# Altium PCB ARAStronaut.PcbDoc
Units mm, origin at the board's own origin, x right, y up, seen from the top; angles counter-clockwise.
Board outline 80.28 x 55.22 mm, 2 copper layers (Top Layer, Bottom Layer); 67 components, 47 nets, 275 pads, 75 vias.
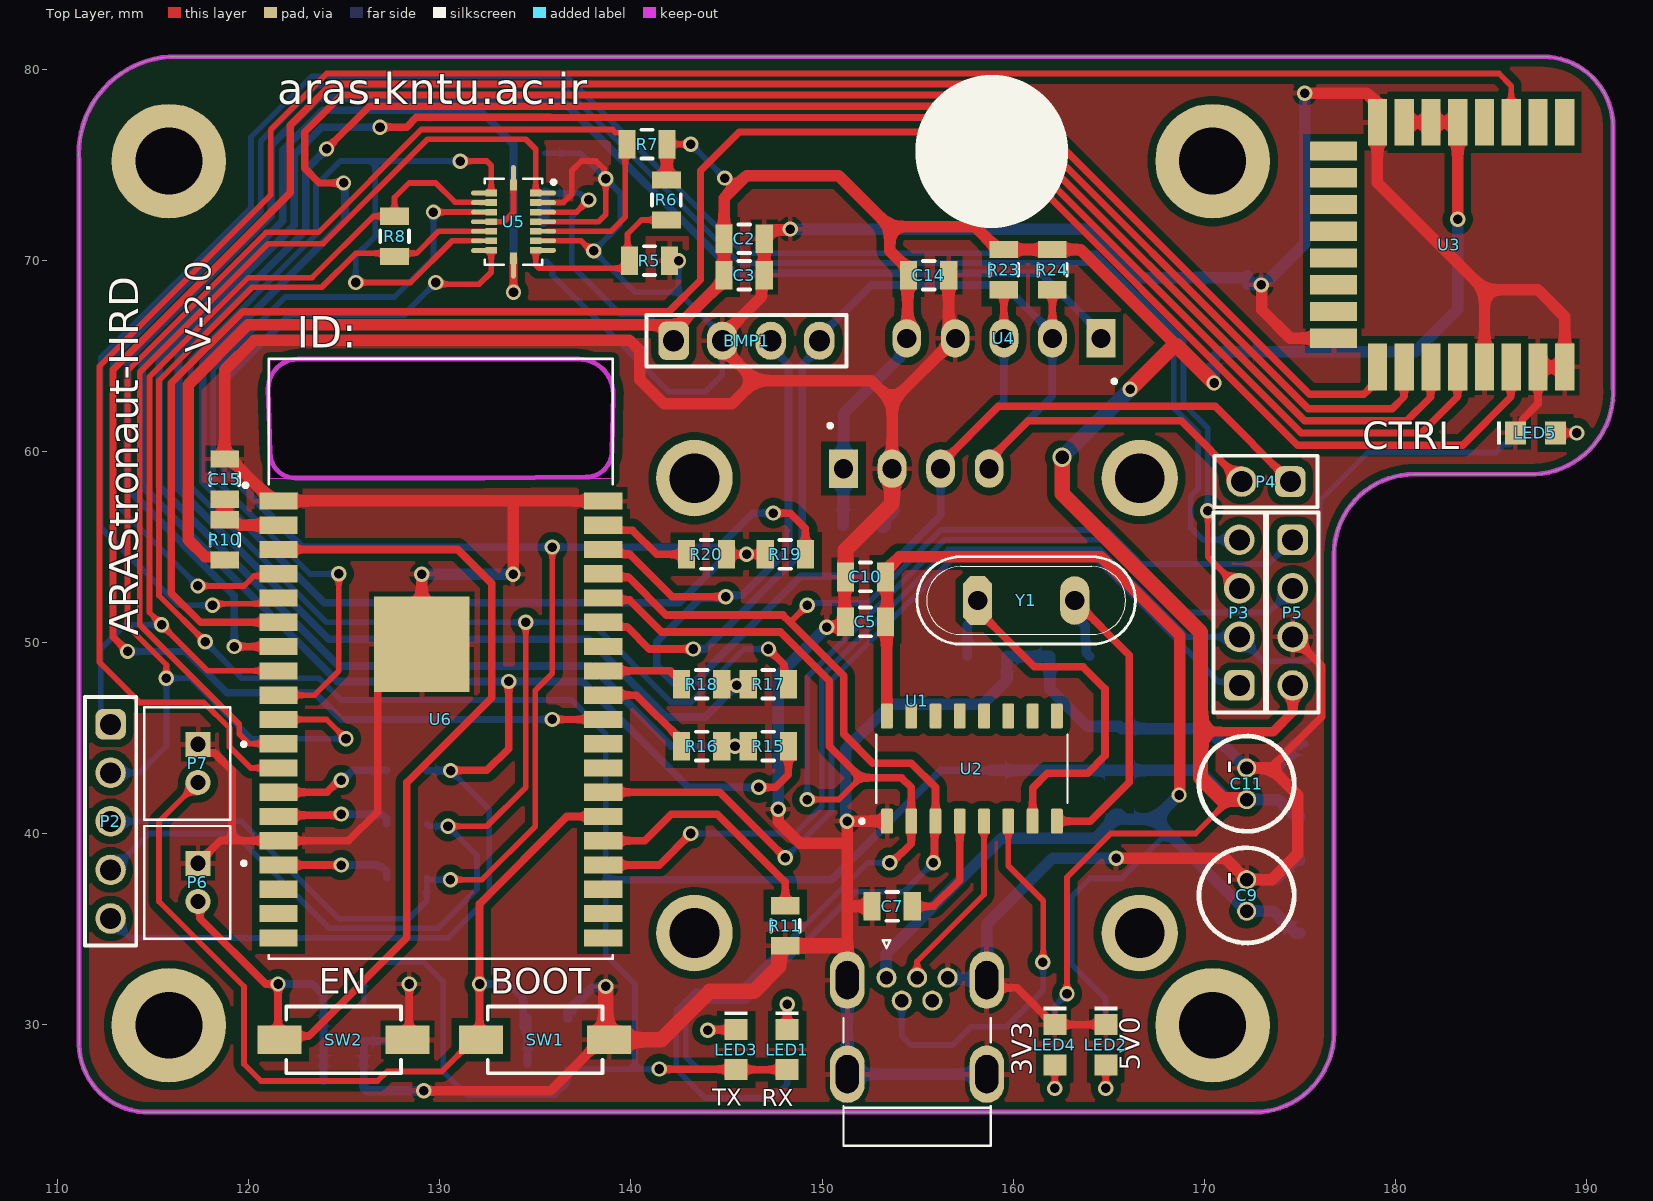
[diagram p0: Top Layer view]
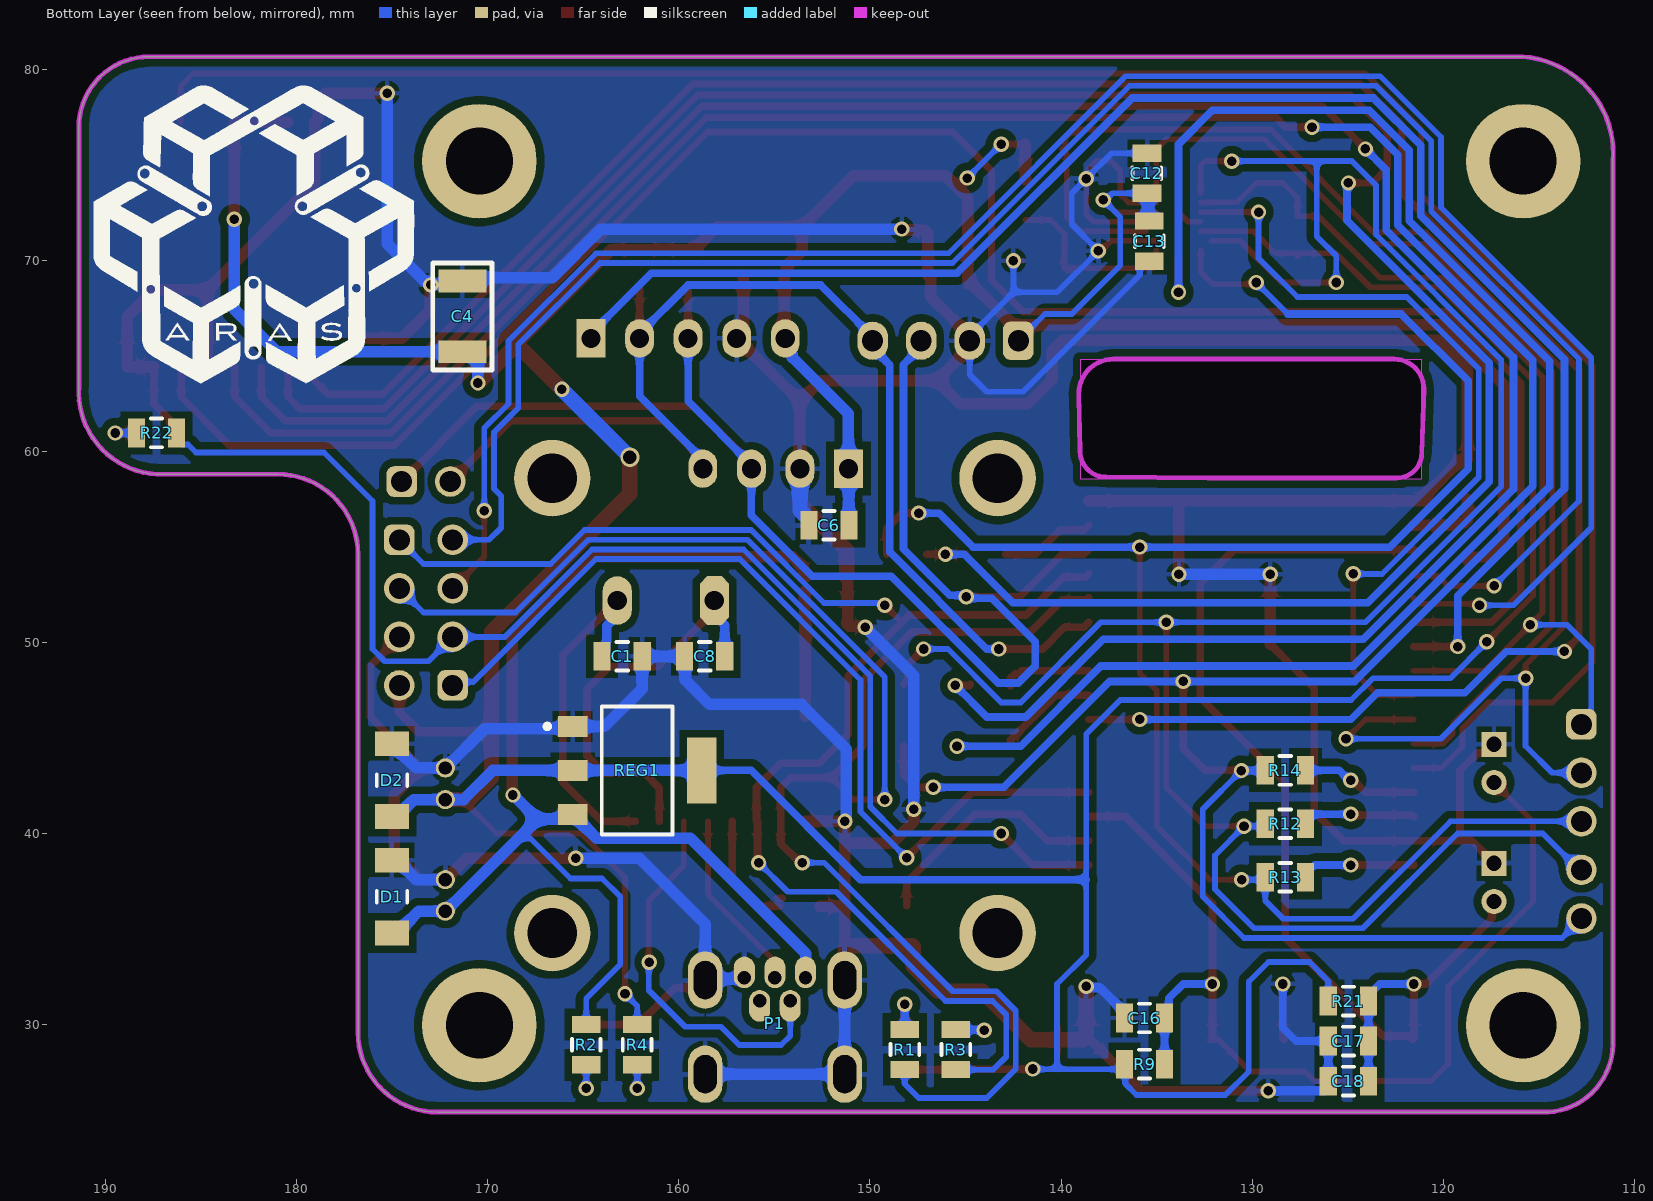
[diagram p1: Bottom Layer view, seen from below]

## Layer stack, top to bottom
Top Solder: solder mask 0.0102, Solder Resist, Dk 3.5
Top Layer: signal copper 0.0356
Dielectric 1: dielectric 0.32, FR-4, Dk 4.8
Bottom Layer: signal copper 0.0356
Bottom Solder: solder mask 0.0102, Solder Resist, Dk 3.5

## Board outline
111.125,28.956 ccw(c114.731,29.033) 114.808,25.428 172.621,25.428 ccw(c172.621,29.591) 176.784,29.591 176.784,54.61 cw(c180.975,54.61) 180.975,58.801 187.325,58.801 ccw(c187.071,63.119) 191.389,63.373 191.389,76.962 ccw(c187.706,76.962) 187.706,80.645 115.824,80.645 ccw(c116.205,75.565) 111.125,75.184

## Design rules (kind name [scope] priority, off if disabled: settings)
Clearance [All] p1: gap=0.2 ignorepadtopadclearanceinfootprint=FALSE except(0.4: Arc-Poly Track-Poly SMDPad-Poly THPad-Poly Via-Poly Fill-Poly Poly-Poly Poly-Region Poly-Text Poly-Hole)
PolygonConnect [All] p1: connectstyle=Relief reliefconductorwidth=0.254 reliefentries=4 polygonreliefangle="90 Angle" airgapwidth=0.254
RoutingVias [All] p1: holewidth=0.5 width=0.8 viastyle="Through Hole" minholewidth=0.5 minwidth=0.8 maxholewidth=1.5 maxwidth=2
SolderMaskExpansion [All] p1: expansion=0.102 istentingtop=FALSE
Width [All] p1: maxlimit=2 minlimit=0.3 preferedwidth=0.3
30 further rules are at their usual default settings.

## Components (designator, comment, footprint, x,y, rotation, side; value= is the part's Value field where it differs from the comment)
BMP1 "BMP_180_MOD" BMP180 146.05,65.786 r0 top
C1 "22pf" "SMD 805 CAP" 162.965,49.276 r0 bottom
C2 "1uF" "SMD 805 CAP" 145.923,71.12 r180 top
C3 "10uF" "SMD 805 CAP" 145.923,69.215 r180 top
C4 "10uF" MY_CAP_SMD-B 171.323,67.056 r90 bottom value=3300u
C5 "10uf" "SMD 805 CAP" 152.271,51.077 r0 top
C6 "1uF" "SMD 805 CAP" 152.146,56.134 r0 bottom
C7 "100nf" "SMD 805 CAP" 153.67,36.195 r180 top
C8 "22pf" "SMD 805 CAP" 158.647,49.276 r0 bottom
C9 "47uF-5mm" "MY_CAP_POL 5MM" 172.212,36.765 r90 top value=3300u
C10 "1uF" "SMD 805 CAP" 152.271,53.426 r180 top
C11 "33uF-5mm" "MY_CAP_POL 5MM" 172.212,42.607 r90 top value=3300u
C12 "100nF" "SMD 805 CAP" 135.509,74.549 r90 bottom
C13 "100nF" "SMD 805 CAP" 135.382,70.993 r270 bottom
C14 "1uF" "SMD 805 CAP" 155.575,69.215 r180 top
C15 "100nF" "SMD 805 CAP" 118.745,58.547 r90 top
C16 "100nF" "SMD 805 CAP" 135.636,30.353 r0 bottom
C17 "22uF" "SMD 805 CAP" 124.968,29.146 r0 bottom
C18 "100nF" "SMD 805 CAP" 124.968,27.051 r0 bottom
D1 "MM 5.1V" MiniMelf 175.006,36.703 r270 bottom
D2 "MM 3.6V" MiniMelf 175.006,42.799 r270 bottom
LED1 "LED_SMD_0805" LED_0805 148.174,28.702 r270 top
LED2 "LED_SMD_0805" LED_0805 164.846,28.956 r270 top
LED3 "LED_SMD_0805" LED_0805 145.507,28.702 r270 top
LED4 "LED_SMD_0805" LED_0805 162.179,28.956 r270 top
LED5 "LED_SMD_0805" LED_0805 187.325,60.96 r0 top
P1 "USB_Mini_Dip_Right" USB_MINI_Right 154.971,30.075 r0 top
P2 "61300511121" 61300511121 112.776,40.64 r270 top
P3 "61300411121" 61300411121 171.831,51.562 r90 top
P4 "61300211121" 61300211121 173.228,58.42 r180 top
P5 "61300411121" 61300411121 174.625,51.562 r270 top
P6 "JST_2PIN" JST_2PIN 117.348,38.449 r90 top
P7 "JST_2PIN" JST_2PIN 117.348,44.672 r90 top
R1 "1k" "SMD 805" 148.174,28.702 r270 bottom
R2 "1k" "SMD 805" 164.846,28.956 r270 bottom
R3 "1k" "SMD 805" 145.507,28.702 r270 bottom
R4 "680" "SMD 805" 162.179,28.956 r270 bottom
R5 "1k" "SMD 805" 140.97,69.977 r0 top
R6 "INF" "SMD 805" 141.859,73.152 r270 top
R7 "INF" "SMD 805" 140.843,76.073 r180 top
R8 "4.7K" "SMD 805" 127.635,71.247 r90 top
R9 "1k" "SMD 805" 135.636,27.94 r0 bottom
R10 "0" "SMD 805" 118.745,55.372 r90 top
R11 "4.7k" "SMD 805" 148.082,35.179 r90 top
R12 "INF" "SMD 805" 128.27,40.513 r0 bottom
R13 "INF" "SMD 805" 128.27,37.719 r0 bottom
R14 "INF" "SMD 805" 128.27,43.307 r0 bottom
R15 "0" "SMD 805" 147.19,44.577 r0 top
R16 "220" "SMD 805" 143.699,44.577 r0 top
R17 "0" "SMD 805" 147.19,47.816 r0 top
R18 "220" "SMD 805" 143.699,47.816 r0 top
R19 "0" "SMD 805" 148.079,54.61 r0 top
R20 "220" "SMD 805" 143.953,54.61 r0 top
R21 "1k" "SMD 805" 124.968,31.242 r180 bottom
R22 "470" "SMD 805" 187.325,60.96 r0 bottom
R23 "4.7k" "SMD 805" 159.512,69.503 r90 top
R24 "4.7k" "SMD 805" 162.052,69.503 r90 top
REG1 "LD1117 3.3" MY_LD1117-3.3 162.052,43.307 r270 bottom
SW1 "BOOT" WS-TASV_L6W3.5H4.3_4341x10438x6 135.509,29.21 r180 top
SW2 "ENABLE" WS-TASV_L6W3.5H4.3_4341x10438x6 124.968,29.21 r180 top
U1 "SSD1306" SSD1306 154.974,46.944 r0 top locked
U2 "CH340G" CH340G 157.84,43.4 r90 top
U3 "DWM1000" DWM1000 186.132,71.07 r270 top
U4 "HMC5883L" HMC5883L-GY271 160.742,65.843 r180 top
U5 "BMI088" BMI088 133.858,72.009 r270 top
U6 "ESP32-WROVER-I" ESP32-WROVER-I 128.884,46.422 r0 top locked
Y1 "CRYSTAL" My_Crystal 160.679,52.197 r0 top

## Footprints (in the part's own frame and the unit in brackets; to place one, negate y for a bottom-side part, rotate by r counter-clockwise, add the part's x,y. Pads: shape width x height; smd on the part's side, far side on the other; paste and mask are expansions set on the pad)
61300211121 [mm] "Pin Header, pitch 2.54 mm, THT, Vertical, single row, 2p"
  rrect50% 1.6x1.6 hole 1.1: 1(-1.27,0)
  round 1.6 hole 1.1: 2(1.27,0)
  silkscreen extent -2.69,-1.35 2.69,1.35, body extent -2.54,-1.27 2.54,1.27, height 8.57
61300411121 [mm] "Pin Header, pitch 2.54 mm, THT, Vertical, single row, 4p"
  rrect50% 1.6x1.6 hole 1.1: 1(-3.81,0)
  round 1.6 hole 1.1: 2(-1.27,0) 3(1.27,0) 4(3.81,0)
  silkscreen extent -5.23,-1.35 5.23,1.35, body extent -5.08,-1.27 5.08,1.27, height 8.57
61300511121 [mm] "Pin Header, pitch 2.54 mm, THT, Vertical, single row, 5p"
  rrect50% 1.6x1.6 hole 1.1: 1(-5.08,0)
  round 1.6 hole 1.1: 2(-2.54,0) 3(0,0) 4(2.54,0) 5(5.08,0)
  silkscreen extent -6.5,-1.35 6.5,1.35, body extent -6.35,-1.27 6.35,1.27, height 8.57
BMI088 [mm]
  oval 0.254x1 smd: 1(-1.505,1.721) 2(-1.005,1.721) 3(-0.505,1.721) 4(-0.005,1.721) 5(0.495,1.721) 6(0.995,1.721) 7(1.495,1.721) 9(1.505,-1.721) 10(0.995,-1.721) 11(0.495,-1.721) 12(-0.005,-1.721) 13(-0.505,-1.721) 14(-1.005,-1.721) 15(-1.505,-1.721)
  rect 0.35x0.59 smd: 1(-1.505,1.161) 2(-1.005,1.161) 3(-0.505,1.161) 4(-0.005,1.161) 5(0.495,1.161) 6(0.995,1.161) 7(1.495,1.161) 9(1.495,-1.169) 10(0.995,-1.169) 11(0.495,-1.169) 12(-0.005,-1.169) 13(-0.505,-1.169) 14(-1.005,-1.169) 15(-1.505,-1.169)
  rect 0.59x0.35 smd: 8(1.91,-0.004) 16(-1.92,-0.004)
  oval 1x0.254 smd: 8(2.471,-0.005) 16(-2.471,-0.005)
  silkscreen extent -2.26,-1.5 2.24,2.2, body extent -2.26,-1.5 2.24,1.5, height 1
BMP180 [mm]
  rrect50% 1.6x2 hole 1.1: 1(-3.81,0)
  oval 1.6x2 hole 1.1: 2(-1.27,0) 3(1.27,0) 4(3.81,0)
  silkscreen extent -5.23,-1.35 5.23,1.35, body extent -5.11,-1.19 5.11,11.8, height 5.69
CH340G [mm]
  rrect25% 1.31x0.62 smd: 1(-2.75,4.445) 2(-2.75,3.175) 3(-2.75,1.905) 4(-2.75,0.635) 5(-2.75,-0.635) 6(-2.75,-1.905) 7(-2.75,-3.175) 8(-2.75,-4.445) 9(2.75,-4.445) 10(2.75,-3.175) 11(2.75,-1.905) 12(2.75,-0.635) 13(2.75,0.635) 14(2.75,1.905) 15(2.75,3.175) 16(2.75,4.445)
  silkscreen extent -2.85,-5 1.78,5.85, body extent -3,-5 3,5, height 1.8
DWM1000 [mm]
  rect 2.45x1 smd: 1(-6.146,2.726) 2(-6.146,1.326) 3(-6.146,-0.074) 4(-6.146,-1.474) 5(-6.146,-2.874) 6(-6.146,-4.274) 7(-6.146,-5.674) 8(-6.146,-7.074) 17(6.654,-7.074) 18(6.654,-5.674) 19(6.654,-4.274) 20(6.654,-2.874) 21(6.654,-1.474) 22(6.654,-0.074) 23(6.654,1.326) 24(6.654,2.726)
  rect 1x2.45 smd: 9(-4.646,-9.369) 10(-3.246,-9.369) 11(-1.846,-9.369) 12(-0.446,-9.369) 13(0.954,-9.369) 14(2.354,-9.369) 15(3.754,-9.369) 16(5.154,-9.369)
  body extent -6.36,-9.59 6.84,13.41, height 3.15
ESP32-WROVER-I [mm]
  rect 2x0.9 smd: 1(-7.327,10.982) 2(-7.327,9.712) 3(-7.327,8.442) 4(-7.327,7.172) 5(-7.327,5.902) 6(-7.327,4.632) 7(-7.327,3.362) 8(-7.327,2.092) 9(-7.327,0.822) 10(-7.327,-0.448) 11(-7.327,-1.718) 12(-7.327,-2.988) 13(-7.327,-4.258) 14(-7.327,-5.528) 15(-7.327,-6.798) 16(-7.327,-8.068) 17(-7.327,-9.338) 18(-7.327,-10.608) 19(-7.327,-11.878) 20(9.673,-11.878) 21(9.673,-10.608) 22(9.673,-9.338) 23(9.673,-8.068) 24(9.673,-6.798) 25(9.673,-5.528) 26(9.673,-4.258) 27(9.673,-2.988) 28(9.673,-1.718) 29(9.673,-0.448) 30(9.673,0.822) 31(9.673,2.092) 32(9.673,3.362) 33(9.673,4.632) 34(9.673,5.902) 35(9.673,7.172) 36(9.673,8.442) 37(9.673,9.712) 38(9.673,10.982)
  rect 5x5 smd paste-1.835 mask-1.835: 39(0.173,3.482)
  Keep-Out Layer board cut-out: -7.75,12.142 -7.75,18.365 10.11,18.365 10.11,12.142
  Keep-Out Layer lines w0.254: -7.863,16.841 cw(c-6.301,16.841) -6.301,18.403 8.373,18.403 cw(c8.373,16.584) 10.193,16.584 10.125,13.588 cw(c8.768,13.588) 8.768,12.23 3.432,12.18 -0.292,12.18 -6.445,12.18 cw(c-6.445,13.489) -7.754,13.489 -7.863,16.841
  silkscreen extent -9.15,-12.98 10.17,18.42, body extent -7.83,-12.98 10.17,18.42, height 3.4
HMC5883L-GY271 [mm]
  rect 1.508x2 hole 1: 1(-3.85,-0.07)
  oval 1.508x2 hole 1: 2(-1.31,-0.07) 3(1.23,-0.07) 4(3.77,-0.07) 5(6.31,-0.07)
  silkscreen extent -4.65,2.08 -4.45,2.28, body extent -5.97,-12.12 8.53,1.38, height 5.67
JST_2PIN [mm]
  rect 1.308x1.308 hole 0.8: 1(0,0)
  round 1.308 hole 0.8: 2(-2,0)
  silkscreen extent -3.95,-2.5 1.95,2.8, body extent -3.95,-1.7 1.95,2.8, height 6
LED_0805 [mm]
  rect 1.1x1.2 smd: 1(-1.05,0) 2(1.05,0)
  silkscreen extent -2,-0.6 -1.8,0.6, body extent -1,-0.63 1,0.62, height 0.7
MiniMelf [mm]
  rect 1.3x1.8 smd: 1(-1.905,0) 2(1.905,0)
  silkscreen extent -0.3,-0.8 0.3,0.8, body extent -1.82,-0.8 1.88,0.8, height 1.6
"MY_CAP_POL 5MM" [mm]
  round 1 hole 0.7: +(-0.827,0) -(0.827,0)
  silkscreen extent -2.49,-2.49 2.49,2.49, body extent -2.74,-2.6 2.84,2.48, height 11.7
MY_CAP_SMD-B [mm] "3.1X4"
  rect 1.2x2.5 smd: +(-1.845,0) -(1.845,0)
  silkscreen extent -2.8,-1.55 2.8,1.55, body extent -1.85,-1.41 1.85,1.41, height 2.14
My_Crystal [mil]
  oct 60x100 hole 40: 1(-100,0)
  oval 60x100 hole 40: 2(100,0)
  silkscreen extent -225,-90 225,90, body extent -225,-90 222,93, height 150
MY_LD1117-3.3 [mm]
  rect 1.1x1.55 smd: 1(-2.3,-3.502) 2(0,-3.502) 3(2.3,-3.502)
  rect 3.45x1.55 smd: 4(0,3.248)
  silkscreen extent -3.35,-4.95 3.35,1.72, body extent -3.3,-3.85 3.2,3.05, height 1.6
"SMD 805" [mm]
  rect 0.9x1.5 smd: 1(1.05,0) 2(-1.05,0)
  silkscreen extent -0.3,-0.75 0.3,0.75, body extent -1,-0.62 1,0.63, height 0.78
"SMD 805 CAP" [mm]
  rect 0.9x1.5 smd: 1(1.05,0) 2(-1.05,0)
  silkscreen extent -0.3,-0.75 0.3,0.75, body extent -1,-0.62 1,0.63, height 0.78
SSD1306 [mm]
  rect 1.508x2 hole 1: 1(-3.85,12.146)
  oval 1.508x2 hole 1: 2(-1.31,12.146) 3(1.23,12.146) 4(3.77,12.146)
  round 4 hole 2.6: ""(-11.65,11.654) ""(-11.65,-12.146) ""(11.65,-12.146) ""(11.65,11.654)
  silkscreen extent -4.65,14.3 -4.45,14.5, body extent -14.41,-14.15 13.99,14.03, height 14.3
USB_MINI_Right [mm]
  oval 1.1x1.65 smd far side paste-2 mask+0: 1(-1.6,2.663) 2(-0.8,0.913) 3(0,2.663) 4(0.8,0.913) 5(1.6,2.663)
  round 1.05 hole 0.7: 6(-1.6,2.388) 7(-0.8,1.188) 8(0,2.388) 9(0.8,1.188) 10(1.6,2.388)
  oval 1.8x3 hole 1.2 slot 2 at 90 deg mask+0: 11(-3.65,-2.662) 12(-3.65,2.261) 12(3.65,-2.662) 12(3.65,2.261)
  oval 1.7x2.7 smd far side paste-2 mask+0: S1(-3.65,-2.662) S2(3.65,-2.662)
  silkscreen extent -3.85,-6.41 3.85,4.34, body extent -3.95,-6.43 3.95,2.97, height 3.9
WS-TASV_L6W3.5H4.3_4341x10438x6 [mm] "SMD Tact Switch, body 6x3.5mm"
  rect 2.3x1.5 smd: 1(-3.35,0) 2(3.35,0)
  silkscreen extent -3,-1.75 3,1.75, body extent -4,-1.75 4,1.75, height 4.3

## Part data
C1 C5 C7 C8: library part "CAP B", "1uf"
C2 C3 C6 C10 C12 C13 C14 C15 C16 C17 C18: library part "CAP B"
C4: library part CAP_TANTAL_B, "3.5X2.8MM"
C9 C11: library part "Cap Pol_5mm", "CAP-3300Uf"
D1 D2: library part MiniMelf_500mW, "MiniMelf_500mW", Package=None, Availability=Unavailable, MP=ZM4736A_L0, Price=None
P2: "WR-PHD Pin Header, THT, Vertical, pitch 2.54mm, 1 Row, 5P", Contact Resistance=20mΩ, Manufacturer="Wurth Elektronik", Operating Temperature Max=105°C, Operating Temperature Min=-40°C, Rated Current=3A, Withstanding Voltage=500V, Working Voltage=250V, Category="Board-to-Board Connectors", ComponentLink1Description="Website Link", ComponentLink1URL=https://www.we-online.com/redexpert/article/61300511121?ad, ComponentLink2Description="Datasheet Link", ComponentLink2URL=https://www.we-online.com/redexpert/spec/61300511121?ad, Gender="Pin Header", Manufacturer Part Number=61300511121, Match Code=WR-PHD, Mount="Through Hole", Number of Pins=5, Number of Rows=1, Orientation=Vertical, Packaging=Bag, Pitch=2.54mm
P3 P5: "WR-PHD Pin Header, THT, Vertical, pitch 2.54mm, 1 Row, 4P", Contact Resistance=20mΩ, Manufacturer="Wurth Elektronik", Operating Temperature Max=105°C, Operating Temperature Min=-40°C, Rated Current=3A, Withstanding Voltage=500V, Working Voltage=250V, Category="Board-to-Board Connectors", ComponentLink1Description="Website Link", ComponentLink1URL=https://www.we-online.com/redexpert/article/61300411121?ad, ComponentLink2Description="Datasheet Link", ComponentLink2URL=https://www.we-online.com/redexpert/spec/61300411121?ad, Gender="Pin Header", Manufacturer Part Number=61300411121, Match Code=WR-PHD, Mount="Through Hole", Number of Pins=4, Number of Rows=1, Orientation=Vertical, Packaging=Bag, Pitch=2.54mm
P4: "WR-PHD Pin Header, THT, Vertical, pitch 2.54mm, 1 Row, 2P", Contact Resistance=20mΩ, Manufacturer="Wurth Elektronik", Operating Temperature Max=105°C, Operating Temperature Min=-40°C, Rated Current=3A, Withstanding Voltage=500V, Working Voltage=250V, Category="Board-to-Board Connectors", ComponentLink1Description="Website Link", ComponentLink1URL=https://www.we-online.com/redexpert/article/61300211121?ad, ComponentLink2Description="Datasheet Link", ComponentLink2URL=https://www.we-online.com/redexpert/spec/61300211121?ad, Gender="Pin Header", Manufacturer Part Number=61300211121, Match Code=WR-PHD, Mount="Through Hole", Number of Pins=2, Number of Rows=1, Orientation=Vertical, Packaging=Bag, Pitch=2.54mm
R1 R2 R3 R4 R5 R6 R7 R8 R9 R10 R11 R12 R13 R14 R15 R16 R17 R18 R19 R20 R21 R22 R23 R24: library part Resistor
SW1 SW2: library part 434111043826, "WS-TASV SMT Tact Switch, L6 x W3.5 x H4.3mm, 260g, SPST-NO, 12V, 50mA", Manufacturer="Wurth Elektronik", Operating Temperature Max=85°C, Operating Temperature Min=-40°C, Rated Current=50mA, Rated Voltage (DC)=12V, Category="Tact Switches", Circuit=SPST-NO, ComponentLink1Description="Website Link", ComponentLink1URL=https://www.we-online.com/redexpert/article/434111043826?ad, ComponentLink2Description="Datasheet Link", ComponentLink2URL=https://www.we-online.com/redexpert/spec/434111043826?ad, Contact Material="Stainless Steel", Contact Plating=Silver, Height=4.3mm, Length=6mm, Manufacturer Part Number=434111043826, Match Code=WS-TASV, Mount="Surface Mount", Operation Force=260g, Packaging="Tape and Reel", Terminal Material="Copper Alloy", Terminal Plating=Silver, Washable=No, Width=3.5mm
Y1: "Crystal"

## Free pads (board coordinates)
  round 6 hole 3.5: ""(115.824,29.972) ""(115.824,75.184) ""(170.434,29.972) ""(170.434,75.184)

## Via types
v1: diameter 0.8, hole 0.5, Top Layer to Bottom Layer, 74 vias
v2: diameter 1, hole 0.7, Top Layer to Bottom Layer, 1 vias

## Nets (pads, with @x,y where several pads share a name; then routed paths per layer and width w, separated by ;. In a path a pad name is that pad's centre, name@x,y a point inside that pad or via, vN(x,y) a via of type N, cw(c..) or ccw(c..) an arc to the next point about the centre after c; other vN are vias at no path point)
5V: C5.1 C9.+ C10.2 D1.2 P1.1 P1.6 R2.2 REG1.3 U2.16 | length 77.3
  Top Layer w0.6: C5.1@153.321,50.886 153.385,50.822 153.385,46.16 U2.16 ; C10.2 153.471,53.576 153.471,53.903 154.051,54.483 164.589,54.483 168.71,50.362 168.71,42.05 v1(168.68,42.02) ; C5.1@153.42,50.611 C10.2@153.42,52.69
  Bottom Layer w0.3: R2.2 164.846,31.369 163.068,33.147 163.068,36.703 164.021,37.656 165.672,37.656 167.766,39.75 168.401,39.75
  Bottom Layer w0.6: P1.6 153.351,32.483 153.351,33.717 159.394,39.76 164.307,39.76 165.079,40.532 165.079,40.757 165.329,41.007 REG1.3 165.804,40.757 167.393,40.757 ; v1(168.68,42.02) 168.656,42.02 167.393,40.757 ; C9.+@172.172,35.978 168.401,39.75 167.393,40.757 ; C9.+ 173.616,35.938 174.756,34.798 D1.2
+3V3: BMP1.1 C2.1 C3.1 C4.+ C6.2 C11.+ C12.2 C13.2 C14.1 D2.2 LED1.2 LED3.2 P5.4 R4.2 R6.2 R7.2 R8.2 R9.1 R10.2 R21.2 R23.1 R24.1 REG1.2 REG1.4 U1.1 U3.5 U3.6 U3.7 U4.5 U5.3 U5.11 | length 348.2
  Top Layer w0.3: v1(117.729,50.038) 115.316,52.451 115.316,63.705 120.191,68.58 123.825,68.58 125.603,70.358 R8.2@127.474,70.358 ; R8.2 R8.2@127.474,70.358 ; U5.11@132.689,71.514 129.934,71.514 128.778,70.358 R8.2@127.474,70.358 ; U5.3@135.019,72.514 135.579,72.514 137.157,72.514 v1(137.795,73.152) ; R7.2 v1(143.129,76.073) ; v1(144.907,74.295) 145,74.295 145.461,73.833 ; v1(162.814,31.623) 162.814,37.719 165.1,40.005 169.545,40.005 171.32,41.78
  Top Layer w0.4: v1(141.478,27.686) 141.495,27.669 145.49,27.669 LED3.2 LED1.2
  Top Layer w0.5: 169.799,45.339 173.609,45.339 174.625,46.355 P5.4
  Top Layer w0.6: R10.2 118.595,54.472 117.74,54.472 116.84,55.372 116.84,63.488 119.971,66.62 142.272,66.62 BMP1.1@142.286,66.634 ; R6.2 141.876,74.219 141.876,76.056 R7.2 ; BMP1.1 142.286,65.832 BMP1.1@142.286,66.634 ; U4.5 154.478,65.959 154.478,69.169 C14.1 154.375,69.365 154.375,69.665 153.543,70.497 153.543,71.755 ; 168.478,65.608 163.533,70.553 R24.1 R23.1 159.212,70.553 159.062,70.703 158.01,71.755 153.543,71.755 ; U3.7 U3.6 U3.5 v1(183.258,72.139) v1@183.261,72.136 ; BMP1.1@142.286,66.634 142.328,66.675 142.582,66.675 144.672,68.765 144.723,68.765 144.873,68.915 C3.1 C2.1 144.873,73.245 145.461,73.833 146.05,74.422 150.876,74.422 153.543,71.755
  Top Layer w0.8: v2(162.56,59.69) 162.56,57.785 169.799,50.546 169.799,45.339 169.799,42.926 170.945,41.78 171.32,41.78 C11.+ ; v1(166.116,63.246) 168.402,65.532 168.554,65.532 v1(170.51,63.576)
  Bottom Layer w0.3: v1(117.729,50.038) 119.634,48.133 123.682,48.133 124.825,46.99 136.906,46.99 138.684,45.212 138.684,37.592 138.684,33.655 140.208,32.131 140.208,27.676 ; R21.2 126.018,32.292 127.008,33.282 129.151,33.282 130.175,32.258 130.175,27.559 131.411,26.323 136.051,26.323 136.644,26.916 136.644,27.676 140.208,27.676 ; C12.2 137.313,73.499 137.66,73.152 v1(137.795,73.152) 136.906,72.263 136.906,69.723 139.446,67.183 140.843,67.183 BMP1.1 ; v1(141.478,27.686) 141.468,27.676 140.208,27.676 ; v1(143.129,76.073) v1(144.907,74.295) ; R4.2 162.179,30.988 v1(162.814,31.623)
  Bottom Layer w0.4: 138.684,37.592 150.495,37.592 156.21,43.307 REG1.4
  Bottom Layer w0.6: C13.2 135.445,72.107 135.445,73.435 C12.2 ; C6.2 151.11,56.148 151.11,59.076 U1.1 151.124,61.97 154.057,64.903 154.057,65.046 154.432,65.421 U4.5 ; REG1.4 REG1.2 169.733,43.307 171.26,41.78 C11.+ 173.87,41.78 174.756,40.894 D2.2 ; v1(170.51,63.576) 170.51,64.911 170.81,65.211 181.035,65.211 183.258,67.434 v1(183.258,72.139) v1@183.227,72.108
  Bottom Layer w0.8: v2(162.56,59.69) v1(166.116,63.246)
ACCEL_INT: U5.1 U6.11 | length 51.6
  Top Layer w0.3: U6.11 120.015,44.704 119.507,45.212 119.507,45.72 114.3,50.927 114.3,64.135 121.031,70.866 123.897,70.866 129.358,76.327 134.493,76.327 135.019,75.801 U5.1@135.019,73.514
BOOT: C16.2 P7.2 R9.2 SW1.2 U6.25 | length 54
  Top Layer w0.3: P7.2 115.316,40.64 115.316,36.449 119.761,32.004 119.761,27.94 120.65,27.051 126.746,27.051 127.254,27.559 130.108,27.559 131.759,29.21 SW1.2
  Top Layer w0.4: SW1.2 132.08,29.289 v1(132.08,32.131) 132.08,36.322 136.652,40.894 U6.25
  Bottom Layer w0.4: v1(132.08,32.131) 133.604,32.131 134.36,31.375 134.36,30.579 C16.2 C16.2@134.586,29.625 ; C16.2@134.372,30.867 134.372,29.839 C16.2@134.586,29.625 ; R9.2 C16.2@134.586,29.625
BUS_SCL: BMP1.3 P4.1 R23.2 U1.3 U4.3 U6.36 | length 82.2
  Top Layer w0.4: U6.36 138.807,54.614 139.95,54.614 142.171,52.393 v1(144.965,52.393) ; U1.3 156.204,59.336 159.225,62.357 170.561,62.357 P4.1 ; U4.3 R23.2
  Bottom Layer w0.4: v1(144.965,52.393) 144.888,52.317 143.63,52.317 141.351,50.038 141.351,48.768 142.24,47.879 143.296,47.879 148.884,53.467 153.019,53.467 156.204,56.651 U1.3 156.204,59.303 159.512,62.611 U4.3 ; v1@145.073,52.47 145.815,52.47 148.247,54.902 148.247,64.533 147.32,65.46 BMP1.3
BUS_SDA: BMP1.4 P4.2 R24.2 U1.4 U4.2 U6.33 | length 65.9
  Top Layer w0.4: U6.33 138.807,50.804 139.823,50.804 140.97,49.657 v1(143.256,49.657) ; U1.4 158.744,59.557 160.782,61.595 168.783,61.595 P4.2 ; U4.2 R24.2
  Bottom Layer w0.4: v1(143.256,49.657) 143.891,49.657 148.971,54.737 148.971,64.516 149.86,65.405 149.86,65.986 152.574,68.7 159.519,68.7 162.052,66.167 U4.2 162.052,62.886 158.744,59.577 U1.4
CS_ACC: P2.1 R8.1 U5.14 U6.8 | length 51.3
  Top Layer w0.3: U6.8 117.856,48.514 v1(115.443,50.927) 114.808,51.562 114.808,63.904 119.992,69.088 123.317,69.088 126.526,72.297 R8.1 127.635,73.279 128.397,74.041 129.794,74.041 130.798,73.037 132.114,73.037 132.137,73.014 U5.14@132.689,73.014
  Bottom Layer w0.3: P2.1 112.28,46.216 112.28,46.533 112.268,46.546 112.268,49.657 113.538,50.927 v1(115.443,50.927)
CS_GYR: P2.2 R7.1 U5.5 U6.10 | length 78.6
  Top Layer w0.3: v1(115.697,48.133) 115.697,48.823 113.665,50.855 113.665,64.207 120.914,71.456 123.653,71.456 129.032,76.835 139.031,76.835 139.193,76.673 139.493,76.673 139.793,76.373 R7.1 ; U6.10 124.079,45.974 v1(125.095,44.958) ; U5.5@135.579,71.514 138.951,71.514 139.7,72.263 139.7,75.565 R7.1@139.954,75.819
  Bottom Layer w0.3: P2.2 114.3,43.18 115.697,44.577 v1(115.697,48.133) 116.967,48.133 120.142,44.958 v1(125.095,44.958)
CS_UWB: U3.17 U6.29 | length 123.6
  Top Layer w0.381: v1(113.665,49.53) 112.903,50.292 112.903,64.262 122.174,73.533 122.174,77.057 124.34,79.222 159.268,79.222 175.499,62.992 178.359,62.992 179.058,63.691 U3.17 ; v1(135.89,45.974) U6.29
  Bottom Layer w0.381: v1(113.665,49.53) 116.713,49.53 118.872,47.371 123.444,47.371 124.841,45.974 v1(135.89,45.974)
D+: P1.3 P1.8 U2.5 | length 9.6
  Top Layer w0.3: P1.8 154.971,33.305 158.475,36.809 U2.5
D-: P1.2 P1.7 U2.6 | length 20.3
  Top Layer w0.3: U2.6 159.745,38.315 161.57,36.49 161.57,33.3 v1(161.544,33.274)
  Bottom Layer w0.3: P1.7 P1.2 154.171,29.419 154.65,28.94 156.84,28.94 157.79,29.89 159.66,29.89 161.57,31.8 161.57,33.248 v1(161.544,33.274)
ENABLE: C17.2 C18.2 P6.2 R21.1 SW2.2 U6.3 | length 57.6
  Top Layer w0.4: P6.2 117.454,36.343 117.454,35.581 120.904,32.131 v1(121.539,32.131) 121.539,29.289 SW2.2 121.816,29.408 123.134,29.408 128.27,34.544 128.27,42.672 132.715,47.117 132.715,53.086 130.937,54.864 U6.3
  Bottom Layer w0.4: v1(121.539,32.131) 123.329,32.131 123.918,31.542 R21.1 C17.2 C18.2
GND: BMP1.2 C1.2 C2.2 C3.2 C4.- C5.2 C6.1 C7.1 C8.1 C9.- C10.1 C11.- C12.1 C13.1 C14.2 C15.1 C16.1 C17.1 C18.1 D1.1 D2.1 LED2.1 LED4.1 LED5.1 P1.5 P1.10 P1.11 P1.12 P1.S1 P1.S2 P5.3 P6.1 P7.1 R5.1 R11.2 REG1.1 SW1.1 SW2.1 U1.2 U2.1 U3.8 U3.16 U3.21 U3.23 U3.24 U4.4 U5.2 U5.4 U5.6 U6.1 U6.15 U6.38 U6.39 | length 431.7
  Top Layer w0.3: U5.6@135.019,71.014 135.579,71.014 137.385,71.014 137.914,70.485 v1(138.049,70.485) ; U5.4@135.019,72.014 135.579,72.014 138.308,72.014 138.684,72.39 v1(138.684,74.268) 138.588,74.364 138.588,74.772 138.176,75.184 137.414,75.184 136.906,74.676 136.906,73.444 136.476,73.014 U5.2@135.019,73.014 ; R5.1 v1(142.494,69.977)
  Top Layer w0.4: P6.1 118.523,39.624 119.126,39.624 ; P7.1 117.802,44.218 118.215,44.218 119.126,43.307 119.126,39.624 ; SW2.1 128.397,29.289 v1(128.397,32.131) ; v1@129.032,53.594 v1(129.057,53.569) ; U6.39 126.757,47.604 126.757,47.381 126.746,47.37 126.746,41.148 125.222,39.624 U6.15 119.126,39.624 ; 133.833,57.379 133.858,57.404 ; P1.12@158.621,32.336 159.021,31.936 160.199,31.936 162.129,30.006 LED4.1 LED2.1 LED2.1@165.1,30.006 ; 173.476,43.434 176.149,46.107 176.149,48.768 P5.3 ; LED5.1 186.625,61.31 186.625,61.657 187.458,62.49 U3.23
  Top Layer w0.5: v1(129.159,26.543) 135.792,26.543 138.459,29.21 SW1.1
  Top Layer w0.6: U6.39 v1(129.057,53.569) ; v1(133.833,53.569) 133.833,57.379 ; U6.38 133.858,57.404 U6.1 121.007,57.404 120.857,57.554 120.857,57.785 119.045,59.597 C15.1 118.745,64.262 120.303,65.82 139.92,65.82 140.462,65.278 140.462,63.754 141.732,62.484 145.288,62.484 146.509,63.705 ; BMP1.2@144.798,65.415 146.509,63.705 ; BMP1.2@144.874,65.492 144.874,66.134 146.828,68.088 146.828,69.07 C3.2 ; C3.2@146.973,69.308 C2.2 146.973,71.42 147.123,71.57 148.224,71.57 148.282,71.628 v1(148.336,71.628) ; v1@147.701,41.221 147.703,41.219 147.703,40.638 148.844,39.497 151.31,39.497 ; v1(150.241,50.8) 150.279,50.838 151.071,50.838 151.221,50.988 C5.2 151.172,51.126 C10.1@151.172,53.426 ; P1.12@151.321,32.336 151.321,34.711 151.31,34.722 151.31,36.121 ; C7.1@152.62,36.2 151.389,36.2 151.31,36.121 ; U2.1 v1(151.31,40.65) 151.31,39.497 ; U1.2 153.664,62.605 ; C14.2 156.625,66.752 156.972,66.405 U4.4 153.664,62.605 ; v1(165.39,38.71) 171.094,38.71 C9.- 173.532,37.592 174.892,38.952 174.892,42.018 173.476,43.434 C11.- ; v1(172.974,68.707) 172.997,68.684 172.997,67.414 174.495,65.916 U3.16 ; v1@175.314,78.74 178.507,78.74 178.858,78.389 178.858,77.416 U3.8 179.058,74.053 184.658,68.453 ; U3.21 184.658,68.453 ; U3.23 U3.24 188.858,67.047 187.452,68.453 184.658,68.453 ; 146.509,63.705 152.563,63.705 153.664,62.605 ; 151.31,36.121 151.31,39.116 151.31,39.497
  Top Layer w0.8: v1(138.684,32.004) 138.684,29.385 SW1.1 141.584,29.21 144.124,31.75 146.431,31.75 147.734,33.053 147.734,34.079 R11.2@147.784,34.129 ; R11.2@147.782,34.129 R11.2@147.784,34.129 ; 151.037,34.129 R11.2 R11.2@147.784,34.129 ; C10.1 151.221,54.828 153.664,57.271 U1.2
  Bottom Layer w0.3: C13.1 135.586,69.943 135.886,69.643 135.886,69.219 141.989,63.116 143.888,63.116 144.78,64.008 BMP1.2 144.78,66.04 142.494,68.326 ; C12.1 137.353,75.599 v1(138.684,74.268) 139.446,73.506 139.446,71.882 v1(138.049,70.485) 140.208,68.326 142.494,68.326 ; v1(142.494,69.977) 142.494,68.326 ; P1.S2 P1.12@158.621,28.013
  Bottom Layer w0.4: C18.1 C17.1 127.698,29.146 128.397,29.845 v1(128.397,32.131) ; D2.1 D2.1@175.256,44.704
  Bottom Layer w0.5: C18.1 126.018,26.751 126.218,26.551 126.518,26.551 126.526,26.543 v1(129.159,26.543) ; C16.1 136.686,30.653 137.98,31.947 138.627,31.947 v1(138.684,32.004)
  Bottom Layer w0.6: v1(129.057,53.569) v1(133.833,53.569) ; v1(147.701,41.275) 147.701,48.26 v1(150.241,50.8) ; v1(148.336,71.628) 164.084,71.628 166.624,69.088 C4.-@172.273,69.088 ; P1.12@151.276,32.381 151.321,32.336 P1.11 P1.S2 ; v1(151.31,40.65) 151.231,40.65 151.231,44.411 153.58,46.76 158.39,46.76 159.665,48.035 159.665,49.244 C8.1 C1.2 161.915,47.585 163.893,45.607 REG1.1 165.668,45.493 170.153,45.493 C11.- 173.736,43.434 174.406,44.104 174.406,44.354 174.756,44.704 D2.1 ; P1.10 156.634,32.4 158.557,32.4 158.621,32.336 158.621,35.271 162.06,38.71 v1(165.39,38.71) ; C9.- 173.74,37.592 174.756,38.608 D1.1 ; C4.-@172.253,69.181 172.253,68.765 172.273,68.745 172.936,68.745 v1(172.974,68.707) ; v1@172.936,68.901 173.295,68.901 175.26,70.866 v1(175.26,78.74)
  Bottom Layer w0.8: C6.1@153.182,56.12 C6.1 153.196,56.434 153.664,56.902 U1.2
GPIO4: P3.1 U6.26 | length 47.9
  Top Layer w0.4: U6.26 144.653,42.164 v1(148.082,38.735)
  Bottom Layer w0.3: v1(148.082,38.735) 150.495,41.148 150.495,48.044 156.815,54.364 164.33,54.364 170.757,47.937 171.646,47.937 P3.1
GPIO15: P3.2 R22.2 U6.23 | length 70.6
  Top Layer w0.4: U6.23 141.478,38.354 v1(143.129,40.005)
  Bottom Layer w0.3: v1(143.129,40.005) 148.59,40.005 149.987,41.402 149.987,48.243 156.608,54.864 164.537,54.864 169.109,50.292 P3.2 173.101,49.022 175.387,49.022 176.022,49.657 176.022,57.404 178.562,59.944 185.259,59.944 185.675,60.36 185.975,60.36 186.275,60.66 R22.2
GYRO_INT: U5.13 U6.9 | length 42.4
  Top Layer w0.3: U6.9 123.444,47.244 124.714,48.514 v1(124.714,53.594) ; v1(129.667,72.517) 129.669,72.515 131.787,72.515 131.788,72.514 U5.13@132.689,72.514
  Bottom Layer w0.3: v1(124.714,53.594) 124.706,53.586 123.214,53.586 118.152,58.648 118.152,64.304 121.92,68.072 127.635,68.072 129.667,70.104 v1(129.667,72.517)
HMC_INT: U4.1 U6.7 | length 83.8
  Top Layer w0.4: v1(119.253,49.784) U6.7
  Bottom Layer w0.4: v1(119.253,49.784) 119.253,52.451 113.665,58.039 113.665,64.807 121.179,72.321 121.179,76.006 123.659,78.486 136.271,78.486 145.449,69.308 161.451,69.308 164.038,66.721 164.038,66.467 U4.1
IRQ: U3.22 U6.6 | length 105.5
  Top Layer w0.381: U6.6 117.477,51.054 115.951,52.58 115.951,63.576 119.685,67.31 141.986,67.31 143.637,68.961 143.637,74.676 145.669,76.708 158.496,76.708 174.879,60.325 183.515,60.325 186.033,62.843 186.033,64.391 U3.22
MISO_IMU: P2.4 R12.1 R17.1 U5.10 U5.15 | length 123.7
  Top Layer w0.3: v1(125.603,68.834) 128.469,68.834 130.649,71.014 U5.10@132.137,71.014 ; v1(130.429,40.386) 132.461,40.386 134.493,42.418 v1(134.493,51.054) ; v1(131.064,75.184) 132.453,75.184 132.689,74.948 U5.15@132.689,73.514
  Top Layer w0.4: v1(147.193,49.657) 148.013,48.837 148.013,48.043 R17.1
  Bottom Layer w0.3: P2.4 112.891,38.1 114.796,40.005 119.253,40.005 124.214,35.044 129.913,35.044 131.953,37.084 131.953,38.862 v1(130.429,40.386) 129.447,40.386 R12.1 ; v1(125.603,68.834) 125.603,70.231 126.619,71.247 126.619,75.184 ; v1(131.064,75.184) 126.619,75.184 ; v1(147.193,49.657) 145.923,49.657 143.129,46.863 142.113,46.863 137.922,51.054 v1(134.493,51.054) 124.079,51.054 116.967,58.166 116.967,64.786 123.529,71.348 123.529,73.917 124.796,75.184 126.619,75.184
MISO_UWB: R17.2 R18.1 U3.19 | length 124.3
  Top Layer w0.381: v1(124.079,75.819) 126.32,78.06 158.787,78.06 175.252,61.595 180.594,61.595 181.842,62.843 181.842,64.4 U3.19
  Top Layer w0.4: R18.1 144.813,47.752 v1(145.542,47.752)
  Bottom Layer w0.4: v1(124.079,75.819) 122.979,74.719 122.979,71.576 116.332,64.929 116.332,58.023 124.19,50.165 137.795,50.165 141.859,46.101 143.891,46.101 v1(145.542,47.752)
MOSI_IMU: P2.3 R13.1 R19.1 U5.9 | length 98.9
  Top Layer w0.3: v1(129.794,68.834) 129.89,68.738 132.059,68.738 132.689,69.368 U5.9@132.689,70.514 ; v1(130.556,37.592) 132.207,37.592 135.001,40.386 135.001,47.498 135.89,48.387 v1(135.89,54.991)
  Top Layer w0.4: v1(147.447,56.769) 148.336,56.769 149.129,55.976 R19.1
  Bottom Layer w0.3: P2.3 119.634,40.64 124.73,35.544 128.381,35.544 129.32,36.483 129.32,37.592 R13.1 129.447,37.592 v1(130.556,37.592) ; 128.143,67.183 v1(129.794,68.834)
  Bottom Layer w0.4: 128.143,67.183 122.203,67.183 118.702,63.682 118.702,59.098 122.809,54.991 144.607,54.991 146.385,56.769 v1(147.447,56.769)
MOSI_UWB: R19.2 R20.1 U3.18 | length 124.1
  Top Layer w0.381: v1(124.968,74.041) 123.698,74.041 122.936,74.803 122.936,76.708 124.869,78.641 159.027,78.641 175.439,62.23 179.832,62.23 180.445,62.843 180.445,64.403 U3.18
  Top Layer w0.4: R20.1 v1(146.05,54.61) R19.2
  Bottom Layer w0.4: v1(124.968,74.041) 125.045,73.964 125.045,72.086 117.602,64.643 117.602,58.42 123.952,52.07 142.534,52.07 145.074,54.61 v1(146.05,54.61)
NetC1_1: C1.1 U2.8 Y1.2 | length 18.6
  Top Layer w0.4: U2.8 164.04,40.65 166.08,42.69 166.08,49.336 Y1.2
  Bottom Layer w0.5: Y1.2 163.219,51.422 163.78,50.861 163.78,50.069 163.815,50.034 163.815,49.476 C1.1
NetC7_2: C7.2 U2.4 | length 6.4
  Top Layer w0.4: C7.2@154.593,36.622 C7.2@154.848,36.622 ; C7.2 155.829,36.195 157.205,37.571 U2.4
NetC8_2: C8.2 U2.7 Y1.1 | length 21.7
  Top Layer w0.4: Y1.1 158.139,51.689 161.098,48.73 163.65,48.73 164.8,47.58 164.8,44.07 163.89,43.16 161.79,43.16 161.015,42.385 U2.7
  Bottom Layer w0.5: C8.2 157.597,50.912 158.139,51.454 Y1.1
NetC15_2: C15.2 R10.1 U6.2 | length 4
  Top Layer w0.6: C15.2 R10.1 118.895,56.272 119.408,56.272 119.546,56.134 U6.2
NetLED1_1: LED1.1 R1.2 | length 2.7
  Top Layer w0.4: LED1.1 v1(148.174,31.08)
  Bottom Layer w0.4: R1.2 v1(148.174,31.08)
NetLED2_2: LED2.2 R2.1 | length 2.5
  Top Layer w0.3: v1(164.846,26.67) LED2.2
  Bottom Layer w0.3: v1(164.846,26.67) R2.1
NetLED3_1: LED3.1 R3.2 | length 3
  Top Layer w0.4: v1(144.018,29.718) 144.035,29.735 145.49,29.735 LED3.1
  Bottom Layer w0.4: v1(144.018,29.718) 144.035,29.735 145.49,29.735 R3.2
NetLED4_2: LED4.2 R4.1 | length 2.5
  Top Layer w0.3: v1(162.179,26.67) LED4.2
  Bottom Layer w0.3: v1(162.179,26.67) R4.1
NetLED5_2: LED5.2 R22.1 | length 2.2
  Top Layer w0.381: LED5.2 v1(189.484,60.96)
  Bottom Layer w0.381: R22.1 v1(189.484,60.96)
NetR5_2: R5.2 R6.1 U5.7 | length 10.2
  Top Layer w0.3: U5.7@135.019,70.514 135.019,69.754 135.195,69.578 139.62,69.578 R5.2@139.827,69.785 ; R5.2@139.62,69.415 139.7,69.48 139.827,69.584 R5.2@139.827,69.785 ; R5.2@139.827,69.977 139.827,71.374 140.555,72.102 R6.1 ; R5.2 139.92,69.878 R5.2@139.827,69.785
NetR11_1: R11.1 U6.24 | length 12.8
  Top Layer w0.4: U6.24 140.716,39.624 142.113,41.021 144.526,41.021 148.082,37.465 R11.1
NetR12_2: R12.2 U6.14 | length 6.1
  Top Layer w0.4: U6.14 121.62,40.957 124.777,40.957 v1(124.841,41.021)
  Bottom Layer w0.4: v1(124.841,41.021) 126.97,41.021 127.22,40.771 R12.2
NetR13_2: R13.2 U6.16 | length 6.1
  Top Layer w0.4: U6.16 v1(124.841,38.354)
  Bottom Layer w0.4: v1(124.841,38.354) 126.736,38.354 126.821,38.269 126.97,38.269 127.22,38.019 R13.2
NetR14_2: R14.2 U6.13 | length 6.1
  Top Layer w0.4: U6.13 124.098,42.164 124.733,42.799 v1(124.841,42.799)
  Bottom Layer w0.4: v1(124.841,42.799) 124.949,42.799 125.457,43.307 R14.2
NetR16_2: R16.2 U6.30 | length 5.4
  Top Layer w0.4: U6.30 140.282,47.244 142.649,44.877 R16.2
NetR18_2: R18.2 U6.31 | length 4.6
  Top Layer w0.4: U6.31 142.061,48.514 142.209,48.366 142.399,48.366 142.649,48.115 R18.2@142.649,47.731
NetR20_2: R20.2 U6.37 | length 5
  Top Layer w0.4: U6.37 138.807,55.884 139.587,55.884 139.591,55.88 140.081,55.88 141.351,54.61 R20.2
NetU5_12: U5.12 U5.16 | length 2.8
  Top Layer w0.3: U5.12@132.689,72.014 133.355,72.014 133.854,72.513 U5.16@133.854,73.929
RESET: U3.3 U6.12 | length 112.1
  Top Layer w0.3: U6.12 120.107,43.434 118.999,44.542 118.999,45.521 117.657,46.863 114.3,46.863 112.203,48.96 112.203,64.451 121.158,73.406 121.158,76.835 124.086,79.763 185.413,79.763 186.058,79.118 U3.3
RX_ESP: P5.2 R1.1 U2.2 U6.34 | length 91.8
  Top Layer w0.3: v1(149.225,41.783) 150.876,41.783 152.019,42.926
  Top Layer w0.4: U6.34 138.653,52.228 139.923,52.228 141.605,50.546 147.828,50.546 150.368,48.006 150.368,44.577 152.019,42.926 154.154,42.926 154.665,42.415 U2.2 154.665,39.476 154.172,38.983 154.153,38.983 153.651,38.481 v1(153.543,38.481)
  Bottom Layer w0.3: R1.1 148.174,26.889 147.447,26.162 143.891,26.162 142.367,27.686 142.367,30.734 143.383,31.75 145.669,31.75 152.4,38.481 v1(153.543,38.481) ; v1(149.225,41.783) 149.225,48.188 156.417,55.38 164.728,55.38 168.546,51.562 173.355,51.562 P5.2
SCK_IMU: P2.5 R14.1 R15.1 U5.8 | length 122.8
  Top Layer w0.4: v1(130.565,43.298) 130.575,43.307 132.461,43.307 133.604,44.45 v1(133.604,47.961) ; U5.8@133.854,70.099 133.856,70.097 133.856,69.538 133.856,68.328 v1(133.858,68.326) ; v1(146.685,42.418) 147.574,42.418 148.24,43.084 R15.1
  Bottom Layer w0.3: P2.5 113.792,34.544 130.429,34.544 132.588,36.703 132.588,41.275 v1(130.565,43.298)
  Bottom Layer w0.4: R14.1 129.329,43.298 v1(130.565,43.298) ; v1(133.858,68.326) 133.858,76.073 132.08,77.851 123.872,77.851 121.779,75.758 121.779,72.073 114.427,64.721 114.427,58.166 124.632,47.961 v1(133.604,47.961) 137.459,47.961 143.002,42.418 v1(146.685,42.418)
SCK_UWB: R15.2 R16.1 U3.20 | length 126.9
  Top Layer w0.381: 135.763,77.47 158.556,77.47 175.066,60.96 181.356,60.96 183.239,62.843 183.239,64.397 U3.20
  Top Layer w0.4: v1(126.873,76.962) 128.27,76.962 128.778,77.47 135.763,77.47
  Bottom Layer w0.4: v1(126.873,76.962) 123.832,76.962 122.379,75.509 122.379,71.824 115.316,64.761 115.316,58.166 124.714,48.768 137.922,48.768 142.113,44.577 v1(145.445,44.577)
Sensor_VN: P3.3 U6.5 | length 104.8
  Top Layer w0.3: v1(118.11,51.943) 118.191,52.024 121.257,52.024 U6.5 ; v1(170.18,56.896) 170.18,54.483 P3.3
  Bottom Layer w0.3: v1(118.11,51.943) 116.332,51.943 112.268,56.007 112.268,64.895 120.129,72.756 120.129,76.441 123.317,79.629 136.613,79.629 145.884,70.358 164.338,70.358 168.91,65.786 168.91,62.484 170.18,61.214 v1(170.18,56.896)
Sensor_VP: P3.4 U6.4 | length 100.4
  Top Layer w0.3: v1(117.348,52.959) 119.761,52.959 120.283,53.481 121.444,53.481 U6.4
  Bottom Layer w0.3: v1(117.348,52.959) 112.903,57.404 112.903,64.823 120.629,72.549 120.629,76.234 123.516,79.121 136.414,79.121 145.677,69.858 164.131,69.858 168.402,65.587 168.402,62.269 169.672,60.999 169.672,58.039 169.291,57.658 169.291,56.007 169.926,55.372 P3.4
TX_ESP: P5.1 R3.1 U2.3 U6.35 | length 78.7
  Top Layer w0.3: 148.336,51.054 v1(149.225,51.943)
  Top Layer w0.4: U6.35 138.735,53.416 139.878,53.416 141.859,51.435 147.955,51.435 148.336,51.054 151.13,48.26 151.13,45.212 152.654,43.688 154.672,43.688 155.935,42.425 U2.3 155.882,40.597 155.882,38.534 v1(155.829,38.481)
  Bottom Layer w0.3: R3.1 143.544,27.652 142.867,28.329 142.867,30.527 143.582,31.242 146.05,31.242 151.765,36.957 154.305,36.957 v1(155.829,38.481) ; v1(149.225,51.943) 149.321,52.039 149.619,52.039 149.651,52.07 152.4,52.07 156.21,55.88 164.935,55.88 166.713,54.102 173.355,54.102 P5.1
pads on no net: P1.4 P1.9 U1. U2.9 U2.10 U2.11 U2.12 U2.13 U2.14 U2.15 U3.1 U3.2 U3.4 U3.9 U3.10 U3.11 U3.12 U3.13 U3.14 U3.15 U6.17 U6.18 U6.19 U6.20 U6.21 U6.22 U6.27 U6.28 U6.32

## Polygon pours and split planes (outlines as drawn)
GND on Bottom Layer "NONET_L-01_P-001" (solid, remove dead copper, pour order 0): 179.959,58.674 180.086,58.801 180.848,58.801 180.975,58.928 181.737,58.928 181.864,58.801 187.579,58.801 187.706,58.928 188.214,58.928 188.468,59.182 188.849,59.182 189.103,59.436 189.357,59.436 189.484,59.563 189.611,59.563 189.865,59.817 189.992,59.817 190.373,60.198 190.373,60.452 190.627,60.706 190.627,60.833 191.008,61.214 191.008,61.341 191.262,61.595 191.262,62.103 191.389,62.23 191.389,62.738 191.516,62.865 191.516,77.851 191.135,78.232 191.135,78.867 190.627,79.375 190.627,79.502 190.246,79.883 190.119,79.883 189.865,80.137 189.484,80.137 189.23,80.391 188.849,80.391 188.595,80.645 188.087,80.645 187.96,80.772 115.697,80.772 115.57,80.645 114.935,80.645 114.808,80.518 114.427,80.518 114.173,80.264 114.046,80.264 113.665,79.883 113.284,79.883 113.03,79.629 112.903,79.629 112.141,78.867 112.141,78.74 111.887,78.486 111.887,78.359 111.633,78.105 111.633,77.978 111.506,77.851 111.506,77.724 111.252,77.47 111.252,76.962 111.125,76.835 111.125,76.073 110.998,75.946 110.998,75.692 111.125,75.565 111.125,28.194 111.252,28.067 111.252,27.813 111.379,27.686 111.379,27.305 112.014,26.67 112.014,26.416 112.141,26.416 112.649,25.908 112.903,25.908 113.284,25.527 113.538,25.527 113.792,25.273 115.189,25.273 115.316,25.4 172.466,25.4 172.593,25.527 172.72,25.4 173.228,25.4 173.482,25.654 173.863,25.654 174.117,25.908 174.752,25.908 174.752,26.035 175.006,26.289 175.26,26.289 175.895,26.924 175.895,27.178 176.149,27.432 176.149,27.686 176.403,27.94 176.403,28.321 176.657,28.575 176.657,28.956 176.784,29.083 176.784,55.245 176.911,55.372 176.911,55.626 177.165,55.88 177.165,56.261 177.419,56.515 177.419,56.769 177.673,57.023 177.673,57.15 177.8,57.277 177.927,57.277 177.927,57.531 178.054,57.658 178.308,57.658 178.562,57.912 178.689,57.912 178.943,58.166 179.07,58.166 179.324,58.42 179.578,58.42 179.832,58.674 180.086,58.674
GND on Top Layer "NONET_L-01_P-001" (solid, remove dead copper, pour order 2): 180.086,58.674 180.213,58.801 180.975,58.801 181.102,58.928 181.864,58.928 181.991,58.801 187.706,58.801 187.833,58.928 188.341,58.928 188.595,59.182 188.976,59.182 189.23,59.436 189.484,59.436 189.611,59.563 189.738,59.563 189.992,59.817 190.119,59.817 190.5,60.198 190.5,60.452 190.754,60.706 190.754,60.833 191.135,61.214 191.135,61.341 191.389,61.595 191.389,62.103 191.516,62.23 191.516,62.738 191.643,62.865 191.643,77.851 191.262,78.232 191.262,78.867 190.754,79.375 190.754,79.502 190.373,79.883 190.246,79.883 189.992,80.137 189.611,80.137 189.357,80.391 188.976,80.391 188.722,80.645 188.214,80.645 188.087,80.772 115.824,80.772 115.697,80.645 115.062,80.645 114.935,80.518 114.554,80.518 114.3,80.264 114.173,80.264 113.792,79.883 113.411,79.883 113.157,79.629 113.03,79.629 112.268,78.867 112.268,78.74 112.014,78.486 112.014,78.359 111.76,78.105 111.76,77.978 111.633,77.851 111.633,77.724 111.379,77.47 111.379,76.962 111.252,76.835 111.252,76.073 111.125,75.946 111.125,75.692 111.252,75.565 111.252,28.194 111.379,28.067 111.379,27.813 111.506,27.686 111.506,27.305 112.141,26.67 112.141,26.416 112.268,26.416 112.776,25.908 113.03,25.908 113.411,25.527 113.665,25.527 113.919,25.273 115.316,25.273 115.443,25.4 172.593,25.4 172.72,25.527 172.847,25.4 173.355,25.4 173.609,25.654 173.99,25.654 174.244,25.908 174.879,25.908 174.879,26.035 175.133,26.289 175.387,26.289 176.022,26.924 176.022,27.178 176.276,27.432 176.276,27.686 176.53,27.94 176.53,28.321 176.784,28.575 176.784,28.956 176.911,29.083 176.911,55.245 177.038,55.372 177.038,55.626 177.292,55.88 177.292,56.261 177.546,56.515 177.546,56.769 177.8,57.023 177.8,57.15 177.927,57.277 178.054,57.277 178.054,57.531 178.181,57.658 178.435,57.658 178.689,57.912 178.816,57.912 179.07,58.166 179.197,58.166 179.451,58.42 179.705,58.42 179.959,58.674 180.213,58.674

## Keep-outs
Keep-Out Layer:
  the board outline again, w0.254

## Silkscreen, mask and mechanical layers (free items; w line width, h text height)
Top Overlay:
  circle w7: c158.877,75.692 r0.5
  text "aras.kntu.ac.ir" at 121.5,77.597 h2.8
  text "V-2.0" at 118.472,65.151 h2.3 r90
  text "ID:" at 122.505,64.875 h2.8
  text "CTRL" at 178.252,59.608 h2.5
  text "ARAStronaut-HRD" at 114.732,50.359 h2.6 r90
  text "EN" at 123.678,31.19 h2.3
  text "BOOT" at 132.633,31.19 h2.3
  text "5V0" at 166.994,27.594 h1.8 r90
  text "3V3" at 161.342,27.342 h1.8 r90
  text "TX" at 144.252,25.475 h1.5
  text "RX" at 146.857,25.459 h1.5
Bottom Overlay:
  drawing of 10 lines, arcs and shapes, not listed

## Text inside footprints (layer, text, board x,y; h text height)
C9: Top Overlay "-" at 171.918,37.272 h1.52 r90
C11: Top Overlay "-" at 171.918,43.114 h1.52 r90